# Altium PCB neoPeak.PcbDoc (continued)
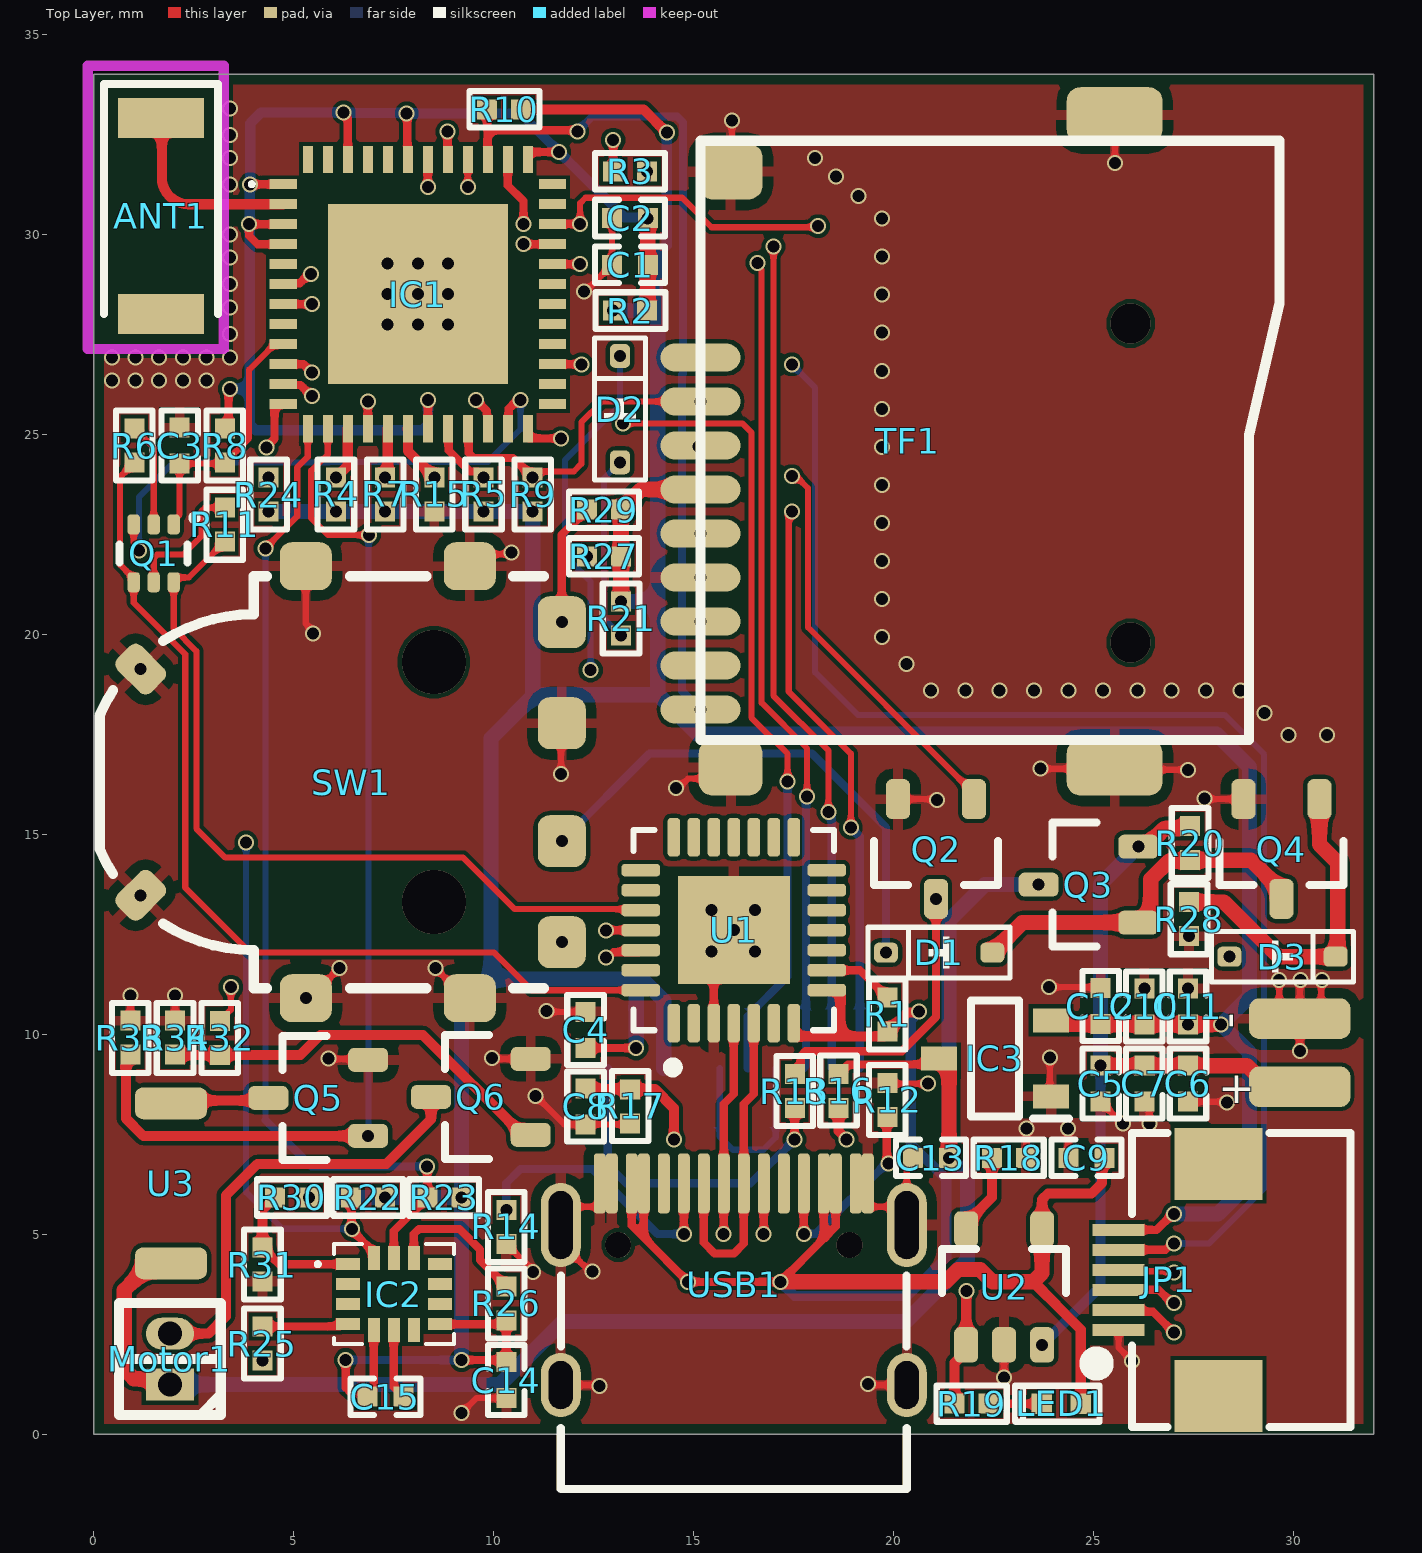
[diagram p0: Top Layer view]
## Footprints (in the part's own frame and the unit in brackets; to place one, negate y for a bottom-side part, rotate by r counter-clockwise, add the part's x,y. Pads: shape width x height; smd on the part's side, far side on the other; paste and mask are expansions set on the pad)
ANTC5020X127N [mm]
  rect 1x2.15 smd: 1(-2.45,0) 2(2.45,0)
  silkscreen extent -3.3,-1.42 2.45,1.42, body extent -2.52,-1 2.52,1, height 1.27
C0402_L [mm] "ÌùÆ¬MLCCµçÈÝ"
  rect 0.5x0.5 smd: 1(-0.45,0) 2(0.45,0)
  silkscreen extent -0.87,-0.46 0.88,0.46, body extent -0.5,-0.25 0.5,0.25, height 0.5
DET402 [mm]
  rrect50% 0.8x1.8 smd: 1(-2,0) 2(2,0)
  body extent -2.45,-1.5 2.44,1.5, height 2.03
ESP32PICOV302ES [mm]
  rect 0.68x0.25 smd: 1(-3.365,2.75) 2(-3.365,2.25) 3(-3.365,1.75) 4(-3.365,1.25) 5(-3.365,0.75) 6(-3.365,0.25) 7(-3.365,-0.25) 8(-3.365,-0.75) 9(-3.365,-1.25) 10(-3.365,-1.75) 11(-3.365,-2.25) 12(-3.365,-2.75) 25(3.365,-2.75) 26(3.365,-2.25) 27(3.365,-1.75) 28(3.365,-1.25) 29(3.365,-0.75) 30(3.365,-0.25) 31(3.365,0.25) 32(3.365,0.75) 33(3.365,1.25) 34(3.365,1.75) 35(3.365,2.25) 36(3.365,2.75)
  rect 0.25x0.68 smd: 13(-2.75,-3.365) 14(-2.25,-3.365) 15(-1.75,-3.365) 16(-1.25,-3.365) 17(-0.75,-3.365) 18(-0.25,-3.365) 19(0.25,-3.365) 20(0.75,-3.365) 21(1.25,-3.365) 22(1.75,-3.365) 23(2.25,-3.365) 24(2.75,-3.365) 37(2.75,3.365) 38(2.25,3.365) 39(1.75,3.365) 40(1.25,3.365) 41(0.75,3.365) 42(0.25,3.365) 43(-0.25,3.365) 44(-0.75,3.365) 45(-1.25,3.365) 46(-1.75,3.365) 47(-2.25,3.365) 48(-2.75,3.365)
  rect 4.5x4.5 smd: 49(0,0)
  silkscreen extent -4.2,2.7 -4.1,2.8, body extent -3.5,-3.5 3.5,3.5, height 1.31
FPC0.5-WT-6P [mm] "³¤£º7.2mm£¬¿í£º5.2mm£¬¸ß£º2mm               »Æ¾§±¦Ê¯"
  rect 1.8x2.2 smd: 0(-2.9,0) 0(2.9,0)
  rect 0.3x1.3 smd: 1(-1.25,2.497) 2(-0.75,2.497) 3(-0.25,2.497) 4(0.25,2.497) 5(0.75,2.497) 6(1.25,2.497)
  silkscreen extent -3.67,-3.3 3.68,3.23, body extent -3.6,-3.15 3.6,2.85, height 2
HDR1.27-LI-2P [mm] "Ö±²å£¬½Å¾à£º1.27mm ·â×°¿âÀ´×ÔÌÔ±¦Âô¼Ò ID£º»Æ¾§±¦Ê¯"
  rect 0.8x1.2 hole 0.6: 1(-0.635,0)
  oval 0.8x1.2 hole 0.6: 2(0.635,0)
  silkscreen extent -1.4,-1.27 1.4,1.27, body extent -1.27,-1.2 1.27,1.2, height 4.48
IIM42352 [mm]
  rect 0.6x0.3 smd: 1(-1.15,0.75) 2(-1.15,0.25) 3(-1.15,-0.25) 4(-1.15,-0.75) 8(1.15,-0.75) 9(1.15,-0.25) 10(1.15,0.25) 11(1.15,0.75)
  rect 0.3x0.6 smd: 5(-0.5,-0.9) 6(0,-0.9) 7(0.5,-0.9) 12(0.5,0.9) 13(0,0.9) 14(-0.5,0.9)
  silkscreen extent -1.95,-1.25 1.5,1.25, body extent -1.5,-1.25 1.5,1.25, height 0.9
LCD-240x240-FlUSH-154 [mm]
  rrect50% 0.4x3 smd: 1(3.851,-7.85) 2(3.151,-7.85) 3(2.451,-7.85) 4(1.751,-7.85) 5(1.051,-7.85) 6(0.351,-7.85) 7(-0.349,-7.85) 8(-1.049,-7.85) 9(-1.749,-7.85) 10(-2.449,-7.85) 11(-3.149,-7.85) 12(-3.849,-7.85)
  silkscreen extent -15.75,-17.02 15.75,16.76, body extent -15.7,-17.02 15.7,16.76
LED0402_G [mil] "ÂÌÉ«0402LED"
  rect 20x20 smd: 1(-19.23,0) 2(19.23,0)
  silkscreen extent -37,-18 46,18, body extent -20,-10 20,10, height 8
QFN-28 [mil]
  rrect50% 38x12 smd mask+5: 1(-91.5,59.06) 2(-91.5,39.37) 3(-91.5,19.69) 4(-91.5,0) 5(-91.5,-19.68) 6(-91.5,-39.37) 7(-91.5,-59.05) 15(91.5,-59.05) 16(91.5,-39.37) 17(91.5,-19.68) 18(91.5,0) 19(91.5,19.69) 20(91.5,39.37) 21(91.5,59.06)
  rrect50% 12x38 smd mask+5: 8(-59.06,-91.5) 9(-39.37,-91.5) 10(-19.68,-91.5) 11(0,-91.5) 12(19.68,-91.5) 13(39.37,-91.5) 14(59.05,-91.5) 22(59.05,91.5) 23(39.37,91.5) 24(19.68,91.5) 25(0,91.5) 26(-19.68,91.5) 27(-39.37,91.5) 28(-59.06,91.5)
  rect 106.3x110.24 smd: 29(0,0)
  silkscreen extent -140,-99 99,98, body extent -99,-99 98,98, height 35
R0402_L [mm] "1/16WÌùÆ¬µç×è"
  rect 0.5x0.5 smd: 1(-0.425,0) 2(0.425,0)
  silkscreen extent -0.88,-0.46 0.87,0.46, body extent -0.5,-0.25 0.5,0.25, height 0.3
SIQ-02FVS3 [mm]
  rrect50% 1.3x1.2 smd: 1(-4,-7.7) 2(-1.475,-7.7) 3(1.475,-7.7) 4(4,-7.7)
  rrect50% 1.2x1.3 smd: 5(-5.4,-5.4) 5(-5.4,-1.3) 5(5.4,-5.4) 5(5.4,-1.3)
  rrect50% 0.85x1.2 smd rot 45: 5(-2.828,2.828)
  rrect50% 0.85x1.2 smd rot 135: 5(2.828,2.828)
  silkscreen extent -5.15,-7.25 5.15,3.86, body extent -7.2,-7.5 7.2,7.25, height 4.06
SOD-323 [mm]
  rrect50% 0.6x0.5 smd: 1(-1.329,0) 2(1.329,0)
  silkscreen extent -1.78,-0.64 1.78,0.64, body extent -1.3,-0.68 1.3,0.67, height 1.15
SOT23-3 [mm]
  rrect50% 1x0.6 smd: 1(-1.246,0.95) 2(-1.246,-0.95) 3(1.246,0)
  silkscreen extent -0.2,-1.55 0.9,1.55, body extent -1.3,-1.45 1.5,1.45, height 1.2
SOT23-5 [mm]
  rrect50% 0.889x0.6 smd: 1(-1.5,0.95) 2(-1.5,0) 3(-1.5,-0.95) 4(1.396,-0.95) 5(1.396,0.95)
  silkscreen extent -0.2,-1.55 0.9,1.55, body extent -1.48,-1.45 1.32,1.45, height 1.2
SOT95P280X145-3N [mm]
  rect 0.9x0.6 smd: 1(-1.4,0.95) 2(-1.4,-0.95) 3(1.4,0)
  silkscreen extent -1.85,-1.45 0.6,1.5, body extent -1.4,-1.45 1.4,1.45, height 1.45
SOT563-6 [mm]
  rrect50% 0.305x0.5 smd paste+0 mask+0: 1(-0.5,-0.723) 2(0,-0.723) 3(0.5,-0.723) 4(0.5,0.723) 5(0,0.723) 6(-0.5,0.723)
  silkscreen extent -1.09,-0.97 0.85,0.22, body extent -0.8,-0.8 0.8,0.8, height 0.6
TF-SOCKET [mm]
  oval 2x0.7 smd: 1(-8.331,-4.582) 2(-8.331,-5.682) 3(-8.331,-6.782) 4(-8.331,-7.882) 5(-8.331,-8.982) 6(-8.331,-10.082) 7(-8.331,-11.182) 8(-8.331,-12.282) 9(-8.331,-13.382)
  rrect50% 1.6x1.4 smd: 10(-7.577,-14.836) 10(-7.577,0.068)
  rrect50% 2.4x1.4 smd: 10(2.023,-14.836) 10(2.023,1.476)
  silkscreen extent -8.33,-14.15 6.15,0.84, body extent -8.87,-14.81 8.18,1.29, height 2.05
Type-C-TOP [mm]
  round 0.65 hole 0.65: 0(-0.98,2.89) 0(-0.98,-2.89)
  oval 1.6x1 hole 0.6 slot 1.2 at 0 deg: 1(2.52,4.325) 2(2.52,-4.325)
  oval 2.1x1 hole 0.6 slot 1.7 at 0 deg: 3(-1.48,-4.325) 4(-1.48,4.325)
  rrect50% 1.5x0.3 smd: A1(-2.52,-3.35) A4(-2.52,-2.55) A5(-2.52,-1.25) A6(-2.52,-0.25) A7(-2.52,0.25) A8(-2.52,1.25) A9(-2.52,2.55) A12(-2.52,3.35) B1(-2.52,3.05) B4(-2.52,2.25) B5(-2.52,1.75) B6(-2.52,0.75) B7(-2.52,-0.75) B8(-2.52,-1.75) B9(-2.52,-2.25) B12(-2.52,-3.05)
  silkscreen extent -0.22,-4.32 5.12,4.32, body extent -2.57,-4.48 5.18,4.47, height 3.26

## Part data
ANT1: "Antenna", Manufacturer_Name="RAINBOW SW INDUSTRY  CO.,LIMITED", Datasheet Link=https://www.micros.com.pl/mediaserver/info-rf%20an2051-245.pdf, Height=1.27mm, Manufacturer_Part_Number=AN2051-245
C1 C2 C3 C4 C5 C6 C7 C8 C9 C10 C11 C12 C13 C14 C15: library part C, "贴片电容/MLCC电容", BOM名称=无极性贴片电容, 当前库版本V2024.2.3 @淘宝卖家:黄晶宝石=最新版本发布https://item.taobao.com/item.htm?id=566775463719, 联系下单店铺卖家 免费帮你查找封装="联系下单店铺卖家 免费技术指导"
D1 D2 D3: library part 1N5819, "肖特基二极管", BOM名称=肖特基二极管, 学习资源=www.ooocke.com, 属性=40V/2A, 版权归属=源创客
IC1: "Integrated Circuit", Manufacturer_Name="Espressif Systems", Datasheet Link=https://www.espressif.com/sites/default/files/documentation/esp32-pico-v3-02_datasheet_en.pdf, Height=1.21mm, Manufacturer_Part_Number=ESP32-PICO-V3-02-ES
IC2: "Integrated Circuit", Manufacturer_Name=TDK, Mouser Part Number=410-ICM-42688-P, Arrow Part Number=ICM-42688-P, Arrow Price/Stock=https://www.arrow.com/en/products/icm-42688-p/invensense?utm_currency=USD&region=nac, Datasheet Link=https://3cfeqx1hf82y3xcoull08ihx-wpengine.netdna-ssl.com/wp-content/uploads/2021/06/DS-000347-ICM-42688-P-v1.5.pdf, Manufacturer_Part_Number=ICM-42688-P, Mouser Price/Stock=https://www.mouser.co.uk/ProductDetail/TDK-InvenSense/ICM-42688-P?qs=OlC7AqGiEDk8QrNAV728zw%3D%3D
IC3: "Integrated Circuit", Manufacturer_Name=Microne, Datasheet Link=https://www.lcsc.com/datasheet/lcsc_datasheet_1811151641_MICRONE-Nanjing-Micro-One-Elec-ME6211A33M3G-N_C168807.pdf, Height=1.45mm, Manufacturer_Part_Number=ME6211A33M3G-N
JP1: library part "Header 6", "6P连接器", BOM名称=6P连接器, 封装库来自淘宝卖家:黄晶宝石=最新版本发布https://shop463601444.taobao.com
LED1: library part LED, "贴片LED", BOM名称=贴片LED, 封装库来自淘宝卖家：黄晶宝石=其他店铺购入均为盗版封装库，无更新权益，请立即申请退款，本店现金奖励200~1000元
Motor1: library part "Header 2", "2P连接器", BOM名称=2P连接器, 联系卖家 免费查找封装=唯一出售店铺网址https://shop463601444.taobao.com
Q2 Q4 Q5 Q6: "N-MOS"
Q3: "P-MOS"
R1 R2 R3 R4 R5 R6 R7 R8 R9 R10 R11 R12 R13 R14 R15 R16 R17 R18 R19 R20 R21 R22 R23 R24 R25 R26 R27 R28 R29 R30 R31 R32 R33 R34: library part R, "贴片电阻", BOM名称=贴片电阻, 联系下单店铺卖家 免费帮你查找封装="联系下单店铺卖家 免费技术指导"
S1: "显示屏"
SW1: BOM_JLCPCB Part Class="Extended Part", BOM_Manufacturer=ALPSALPINE, BOM_Manufacturer Part=EC11E1534443, BOM_Supplier=LCSC, BOM_Supplier Part=C1322543, Contributor=LCSC, spicePre=S, spiceSymbolName=EC11E1534443
TF1: library part TF卡座, "8脚自弹"
U1: "USB转TTL", MFG #1="SILICON LABS", PART DESC="SINGLE-CHIP USB TO UART BRIDGE, QFN28, RoHS.", PART NUMBER=CP2102, RefDes=RefDes, Type=DEV
USB1: library part USB-Type-C-TOP

## Free pads (board coordinates)
  rrect50% 2.54x1.016 smd: 3(30.15,8.687) 3(30.15,10.389)

## Via types
v1: diameter 0.4, hole 0.3, Top Layer to Bottom Layer, tented both sides, 210 vias
v2: diameter 0.508, hole 0.3, Top Layer to Bottom Layer, tented both sides, 9 vias
v3: diameter 1, hole 1, Top Layer to Bottom Layer, tented both sides, 2 vias
v4: diameter 1.6, hole 1.6, Top Layer to Bottom Layer, tented both sides, 2 vias

## Nets (pads, with @x,y where several pads share a name; then routed paths per layer and width w, separated by ;. In a path a pad name is that pad's centre, name@x,y a point inside that pad or via, vN(x,y) a via of type N, cw(c..) or ccw(c..) an arc to the next point about the centre after c; other vN are vias at no path point)
3V3A: C1.2 C2.2 IC1.1 IC1.3 IC1.4 IC1.19 IC1.37 IC1.43 IC1.46 R2.1 R8.2 | length 34.7
  Top Layer w0.203: R8.2 3.369,25.235 3.369,26.099 v1(3.407,26.137) ; v1(3.886,30.251) 3.886,29.954 4.09,29.75 IC1.4 ; v1(3.886,30.251) IC1.3@4.734,30.251 ; v1(3.912,31.242) 3.916,31.246 4.731,31.246 IC1.1 ; v1(6.248,33.045) 6.248,32.992 6.35,32.891 IC1.46 ; v1(7.823,33.02) 7.837,33.007 7.837,31.878 IC1.43 ; IC1.19 8.353,25.138 8.353,25.854 v1(8.357,25.857) ; IC1.37 10.85,32.031 10.873,32.055 v1(11.633,32.055)
  Top Layer w0.381: R2.1 13.847,28.103 v1(13.847,30.393)
  Bottom Layer w0.254: v1(3.407,26.137) 3.899,26.137 ; v1@3.899,30.239 3.899,26.137 ; v1@3.899,30.251 3.899,31.19 3.912,31.202 3.912,32.771 4.186,33.045 v1(6.248,33.045) 6.261,33.033 7.81,33.033 v1(7.823,33.02) 10.668,33.02 13.267,30.421 13.819,30.421 v1(13.847,30.393) ; v1(8.357,25.857) 8.357,25.247 8.208,25.098 4.048,25.098 3.899,25.247 3.899,26.137
BAT_DET: C8.1 IC1.6 R16.2 R17.1 | length 43.9
  Top Layer w0.203: IC1.6 4.758,28.773 5.148,28.773 5.38,29.006 v1(5.433,29.006)
  Top Layer w0.254: C8.1 12.306,8.635 13.399,8.635 R17.1 14.034,8.622 14.503,8.153 v1(14.503,7.366) ; R16.2 18.618,7.582 18.821,7.379 v1(18.821,7.366)
  Signal1 w0.152: v1(5.433,29.006) 4.545,29.006 4.013,28.473 4.013,25.569 3.048,24.604 3.048,8.382 4.35,7.08 14.217,7.08 v1(14.503,7.366) 15.062,6.807 18.263,6.807 v1(18.821,7.366)
BOOT: IC1.23 Q1.3 | length 13.9
  Top Layer w0.152: Q1.3 0.999,22.29 1.133,22.156 v1(1.133,22.089)
  Top Layer w0.203: IC1.23 10.373,25.158 10.373,25.64 10.553,25.82 10.63,25.82 v1(10.668,25.857)
  Bottom Layer w0.152: v1(1.133,22.089) 1.133,23.434 1.99,24.291 5.892,24.291 5.909,24.308 9.855,24.308 10.668,25.121 v1(10.668,25.857)
BUZZ: IC1.14 Q5.1 R33.1 | length 26.9
  Top Layer w0.152: IC1.14 5.85,24.492 5.731,24.373 5.721,24.373 5.436,24.088 5.436,22.902 5.859,22.479 v1(6.883,22.479)
  Top Layer w0.254: R33.1 0.802,9.375 0.802,7.896 1.241,7.457 v1(6.859,7.457)
  Bottom Layer w0.152: v1(6.859,7.457) 6.871,7.469 6.871,22.467 v1(6.883,22.479)
CHG_DET: IC1.7 R19.2 R24.1 U2.1 | length 44.2
  Top Layer w0.203: IC1.7 v1(5.461,28.25)
  Top Layer w0.254: R19.2 21.521,1.789 21.813,2.082 21.813,3.576 v1(21.819,3.581)
  Signal1 w0.152: v1(5.461,28.25) 4.724,27.513 4.724,24.269 v1(4.369,23.914) 4.747,23.536 4.747,8.792 5.69,7.849 19.71,7.849 21.819,5.74 v1(21.819,3.581)
CP_Rx: IC1.41 U1.25 | length 31.9
  Top Layer w0.203: v1(8.839,32.563) 8.845,32.557 8.845,31.87 IC1.41 ; v1(12.802,12.598) U1.25@13.675,12.599
  Signal1 w0.152: v1(8.839,32.563) 8.839,30.988 9.046,30.782 16.474,30.782 18.11,29.145 18.11,21.869 16.231,19.99 16.231,16.027 v1(12.802,12.598)
CP_Tx: IC1.40 R3.1 | length 6.7
  Top Layer w0.152: v1(9.35,31.178) IC1.40
  Top Layer w0.203: R3.1 v1(12.986,32.353)
  Signal1 w0.152: v1(9.35,31.178) 9.35,32.286 10.011,32.947 12.392,32.947 v1(12.986,32.353)
DTR: Q1.4 R6.1 U1.28 | length 23.9
  Top Layer w0.152: R6.1 0.66,23.937 0.66,21.735 0.999,21.396 Q1.4 0.999,20.787 2.286,19.499 2.286,13.665 3.912,12.04 10.008,12.04 10.947,11.1 U1.28
EC_A: IC1.10 R27.2 SW1.1 | length 37.6
  Top Layer w0.203: IC1.10@4.735,26.75 5.244,26.75 5.45,26.543 v1(5.461,26.543)
  Signal1 w0.152: v1(5.461,26.543) 5.096,26.543 5.007,26.454 5.007,13.51 6.248,12.268 v1@11.7,12.268 ; v1(11.7,12.3) 15.951,16.551 15.951,22.491 15.547,22.896 14.445,22.896 13.494,21.946 v1(12.326,21.946)
EC_B: IC1.11 R29.2 SW1.4 | length 15.5
  Top Layer w0.203: IC1.11 4.758,26.227 5.168,26.227 v1@5.436,25.959 ; v1(11.7,20.3) 11.7,22.488 R29.2
  Signal1 w0.152: v1(5.461,25.959) 5.461,20.853 6.014,20.3 v1(11.7,20.3)
EC_KEY: D1.2 D2.2 SW1.2 | length 26.2
  Signal1 w0.152: v1(11.7,14.825) 12.421,15.546 v1(12.421,19.101)
  Bottom Layer w0.152: v1(12.421,19.101) 12.421,21.317 11.786,21.952 11.786,24.359 13.157,25.731 v1(13.157,26.958)
  Bottom Layer w0.203: v1(11.7,14.825) 13.893,17.018 17.958,17.018 19.803,15.172 v1(19.803,12.04)
EC_KEY_DET: D2.1 IC1.16 R21.1 | length 12.3
  Top Layer w0.203: IC1.16 v1(6.85,25.822)
  Signal1 w0.152: v1(6.85,25.822) 8.349,24.323 13.133,24.323 v1(13.157,24.299)
  Bottom Layer w0.152: v1(13.157,24.299) 12.751,23.893 12.751,20.403 v1(13.183,19.971)
ESP_EN: C3.2 IC1.9 Q1.1 R8.1 | length 6.4
  Top Layer w0.152: Q1.1 1.999,22.842 2.146,22.99 C3.2 3.248,24.264 R8.1 3.886,24.902 3.886,26.617 4.47,27.201 4.686,27.201 IC1.9
GND: C1.1 C2.1 C3.1 C4.1 C5.1 C6.1 C7.1 C8.2 C9.1 C10.1 C11.1 C12.1 C13.1 C14.2 IC1.49 IC3.1 JP1.1 pad.3@30.15,10.389 Q2.2 Q4.2 Q5.2 Q6.2 R12.1 R14.2 R15.1 R17.2 R18.2 R28.1 R31.2 R33.2 R34.2 S1.1 S1.5 S1.6 S1.8 SW1.3 SW1.5 TF1.6 TF1.10 U1.3 U1.29 U2.2 USB1.1 USB1.2 USB1.3 USB1.4 USB1.A1 USB1.A12 USB1.B1 USB1.B12 | length 54.7
  Top Layer w0.152: R33.2 v1(0.914,10.973) ; R34.2 v1(2.032,10.973) ; SW1.5@5.3,21.7 5.3,20.269 5.486,20.082 v1(5.486,20.015) ; SW1.5@5.69,11.201 v1(6.139,11.651) ; v1(5.867,9.398) 5.888,9.378 6.839,9.378 Q5.2 ; v1(8.542,11.651) SW1.5@8.992,11.201 ; v1(9.195,0.533) 9.565,0.903 C14.2 ; SW1.5@9.4,21.7 9.7,22 10.392,22 v1(10.439,22.047) ; v1@9.972,9.383 Q6.2 ; R14.2 v1@10.985,4.084 ; v1(11.049,8.458) 11.76,7.747 C8.2 13.386,7.747 R17.2 ; v1@11.342,10.559 C4.1 ; USB1.2 v1@12.626,1.23 ; USB1.3 11.675,5.296 12.067,5.688 12.576,5.688 12.65,5.761 USB1.A1 USB1.B12 ; v1(11.684,16.51) 11.684,17.729 SW1.3@11.709,17.755 ; USB1.3@11.76,4.775 11.76,4.708 12.404,4.064 v1(12.471,4.064) ; v1@12.285,28.563 C1.1 C2.1 ; v1(14.554,16.154) 14.621,16.154 14.857,16.39 15.679,16.39 TF1.10@15.977,16.688 ; TF1.10@15.923,31.568 15.951,31.597 v1(15.951,32.842) ; USB1.B1 USB1.A12 19.35,5.761 19.424,5.688 19.933,5.688 20.325,5.296 USB1.4 20.325,6.754 C13.1 ; v1@19.374,1.23 USB1.1 ; R12.1 19.856,8.763 v1(20.853,8.763) ; Q2.2 v1@21.058,15.876 ; v1(22.758,1.422) U2.2 ; R18.2 23.317,6.922 v1(23.317,7.645) ; v1(23.673,16.637) TF1.10@25.496,16.637 ; v1(23.876,11.176) 25.146,11.176 C12.1 ; v1(23.901,9.423) 23.901,8.476 IC3.1 ; v1(24.359,7.645) 24.359,6.916 C9.1 ; C5.1 25.712,7.772 v1(25.73,7.772) ; TF1.10@25.523,16.664 TF1.10@25.496,16.637 ; TF1.10@25.523,32.976 25.527,32.972 v1(25.527,31.775) ; JP1.1 25.621,2.167 v1(25.959,1.829) ; C7.1 26.391,8.186 v1(26.391,7.772) ; C6.1 v1@28.307,8.313 ; v1(27.356,16.612) 25.521,16.612 TF1.10@25.496,16.637 ; v1@27.791,15.876 Q4.2 ; pad.3@29.616,10.389 29.637,10.409 v1(29.637,11.36) ; v1(30.15,9.576) 30.15,10.38 pad.3@30.162,10.392 ; pad.3@30.15,10.389 v1@30.15,11.34 ; pad.3@30.683,10.389 v1@30.683,11.34
  Top Layer w0.203: v1(15.443,12.065) 15.5,12.008 U1.3
  Bottom Layer w0.152: S1.6 15.649,7.439 15.977,7.112 16.739,7.112 17.049,7.423 S1.8
  other v1: 12.647,1.21 19.353,1.25 10.985,4.055 28.328,8.293 9.952,9.403 11.322,10.58 5.3,10.9 26.264,11.143 27.356,11.143 30.17,11.36 30.703,11.36 16.535,12.065 27.381,12.453 16,12.6 15.443,13.106 16.535,13.106 1.172,13.472 21.078,15.856 27.771,15.897 29.87,17.475 30.836,17.475 29.269,18.034 20.93,18.593 21.789,18.593 22.649,18.593 23.509,18.593 24.369,18.593 25.229,18.593 26.088,18.593 26.948,18.593 27.808,18.593 28.668,18.593 1.172,19.128 20.316,19.26 19.702,19.927 19.702,20.878 15.169,21.418 19.702,21.829 19.702,22.781 19.702,23.732 19.702,24.683 19.702,25.635 0.457,26.34 1.046,26.34 1.636,26.34 2.225,26.34 2.814,26.34 19.702,26.586 0.457,26.924 1.046,26.924 1.636,26.924 2.225,26.924 2.814,26.924 3.404,26.924 3.404,27.508 19.702,27.537 3.404,28.169 19.702,28.489 12.256,28.563 3.404,28.753 3.404,29.413 19.702,29.44 3.404,29.997 19.702,30.391 19.117,30.95 3.404,31.242 18.554,31.443 3.404,31.902 18.034,31.902 3.404,32.487 3.404,33.147
  other v2: 7.338,27.738 8.1,27.738 8.862,27.738 7.338,28.5 8.1,28.5 8.862,28.5 7.338,29.262 8.1,29.262 8.862,29.262
GPIO2: IC1.22 S1.7 | length 24.8
  Top Layer w0.152: v1(13.233,25.273) 16.212,25.273 16.44,25.044 16.44,17.913 17.345,17.009 v1(17.345,16.323)
  Top Layer w0.203: v1(9.55,25.857) 9.827,25.581 9.827,25.158 IC1.22
  Signal1 w0.152: v1(9.55,25.857) 10.135,25.273 v1(13.233,25.273)
  Bottom Layer w0.203: S1.7 16.349,10.45 17.345,11.446 v1(17.345,16.323)
GPIO4: IC1.24 S1.11 | length 23.9
  Top Layer w0.152: v1@17.374,23.063 17.374,18.567 18.929,17.012 v1(18.929,15.164)
  Top Layer w0.203: IC1.24 10.85,24.92 10.873,24.897 11.679,24.897 v1(11.684,24.892)
  Signal1 w0.152: v1(11.684,24.892) 14.427,24.892 14.602,25.067 17.301,25.067 17.856,24.511 17.856,23.546 v1@17.374,23.063
  Bottom Layer w0.203: v1@18.867,15.225 v1(18.929,15.164) 19.149,14.943 S1.11
  other v1: 17.45,23.063
GPIO5: IC1.34 JP1.2 R25.2 | length 64
  Top Layer w0.152: v1(12.159,30.258) 12.159,30.777 12.294,30.912 14.707,30.912 15.443,30.175 v1@18.085,30.175 ; v1@18.11,30.175 v1@18.136,30.201
  Top Layer w0.203: IC1.34@11.472,30.258 v1(12.159,30.258) ; JP1.2 25.669,3.062 26.478,3.062 v1(27,2.54)
  Signal1 w0.152: v1(4.216,1.842) 5.07,2.696 26.787,2.696 26.943,2.54 v1(27,2.54) 27.378,2.918 27.378,8.233 18.669,16.942 18.669,29.642 v1(18.11,30.201)
GPIO7: IC1.32 S1.9 | length 25.8
  Top Layer w0.152: v1(16.589,29.286) 16.589,29.219 16.694,29.114 16.694,18.282 17.831,17.145 v1(17.831,15.943)
  Top Layer w0.203: IC1.32 v1(12.152,29.25)
  Signal1 w0.203: v1(12.152,29.25) 12.17,29.268 16.571,29.268 v1(16.589,29.286)
  Bottom Layer w0.203: S1.9 17.805,9.206 v1@17.805,15.943
GPIO8: IC1.33 S1.10 | length 28.2
  Top Layer w0.152: v1(16.993,29.693) 16.993,18.466 18.364,17.094 v1(18.364,15.553)
  Top Layer w0.203: v1@10.778,29.75 IC1.33
  Signal1 w0.203: v1@10.778,29.75 10.807,29.721 16.964,29.721 v1(16.993,29.693)
  Bottom Layer w0.203: v1@18.313,15.657 18.417,15.553 18.449,15.553 S1.10
  other v1: 10.744,29.75
GPIO12: IC1.18 Q2.1 R15.2 | length 21.9
  Top Layer w0.152: v1@17.37,23.952 17.418,23.905 17.6,23.905 17.856,23.649 17.856,20.174 21.73,16.3 21.743,16.3 22.007,16.036 Q2.1
  Top Layer w0.254: IC1.18 7.852,25.133 7.852,24.582 v1(8.514,23.92)
  Signal1 w0.152: v1(8.514,23.92) 8.561,23.873 8.561,23.239 9.109,22.692 13.675,22.692 14.935,23.952 v1@17.37,23.952
  other v1: 17.45,23.952
GPIO13: IC1.20 R5.2 TF1.3 | length 7.7
  Top Layer w0.203: IC1.20 8.873,25.112 8.873,24.597 9.402,24.068 9.595,24.068 v1(9.743,23.92)
  Signal1 w0.152: v1(9.743,23.92) 10.168,23.495 13.919,23.495 v1(15.113,24.689)
GPIO14: IC1.17 R7.2 TF1.5 | length 10.6
  Top Layer w0.254: v1(7.285,23.92) 7.348,23.983 7.348,25.133 IC1.17
  Signal1 w0.152: v1(7.285,23.92) 9.767,21.438 14.088,21.438 v1(15.169,22.518)
GPIO15: IC1.21 R9.2 TF1.2 | length 8.1
  Top Layer w0.152: v1(10.973,23.92) 11.121,24.068 12.003,24.068 12.192,24.257 12.192,25.298 12.712,25.818 v1(15.169,25.818)
  Top Layer w0.203: IC1.21 9.373,25.112 9.373,24.528 9.492,24.409 10.483,24.409 v1(10.973,23.92)
GPIO19: IC1.38 R32.1 | length 27.4
  Top Layer w0.152: R32.1 3.426,10.607 v1(3.426,11.176)
  Top Layer w0.203: IC1.38 10.35,31.22 10.744,30.826 v1@10.744,30.348
  Signal1 w0.152: v1(3.426,11.176) 3.404,11.198 3.404,24.511 4.267,25.375 4.267,28.296 4.599,28.628 5.641,28.628 7.271,30.258 v1(10.744,30.258)
GPIO20: IC1.27 JP1.5 | length 41.5
  Top Layer w0.203: IC1.27 11.467,26.748 12.19,26.748 v1(12.192,26.746) ; JP1.5 26.789,4.611 26.947,4.769 v1(27,4.769)
  Signal1 w0.152: v1(12.192,26.746) 12.239,26.746 12.722,26.264 16.9,26.264 17.383,26.746 v1(17.45,26.746)
  Bottom Layer w0.152: v1(17.45,26.746) 18.034,26.162 18.034,19.05 19.101,17.983 28.27,17.983 29.259,16.995 29.259,6.145 27.883,4.769 v1(27,4.769)
GPIO21: D3.1 IC1.42 | length 38.7
  Top Layer w0.203: v1(8.35,31.178) IC1.42
  Signal1 w0.152: v1@8.357,31.178 8.357,32.791 8.767,33.201 12.798,33.201 14.097,31.902 17.018,31.902 18.923,29.997 18.923,17.297 24.282,11.938 v1(28.389,11.938)
GPIO22: IC1.39 R10.2 TF1.9 | length 21.3
  Top Layer w0.203: R10.2 9.837,32.6 12.06,32.6 v1(12.09,32.57) ; 9.843,32.6 9.843,31.872 IC1.39
  Bottom Layer w0.203: v1(12.09,32.57) 12.461,32.941 14.583,32.941 14.729,32.795 14.729,26.51 14.71,26.491 14.71,18.577 v1(15.169,18.118)
GPIO26: IC1.15 R4.2 TF1.7 | length 13.5
  Top Layer w0.254: v1(6.055,23.92) 6.35,24.215 IC1.15
  Signal1 w0.152: v1(6.055,23.92) 6.433,23.542 6.433,20.948 6.659,20.722 11.812,20.722 12.185,20.349 15.138,20.349 v1(15.169,20.318)
GPIO32: IC1.12 IC2.14 JP1.3 R22.2 | length 48.8
  Top Layer w0.203: v1(4.318,24.669) 4.318,24.685 4.52,24.887 4.52,25.727 4.543,25.75 IC1.12 ; R22.2 6.442,5.909 6.442,5.14 v1(6.452,5.131) 6.452,5.098 7,4.55 IC2.14 ; JP1.3 26.619,3.611 26.947,3.283 v1(27,3.283)
  Signal1 w0.152: v1(3.81,14.792) 3.81,24.161 4.017,24.368 v1(4.318,24.669) ; v1(6.452,5.131) 6.452,3.916 7.418,2.95 26.667,2.95 v1(27,3.283)
  Bottom Layer w0.152: v1(3.81,14.792) 3.81,6.045 4.718,5.137 v1@6.445,5.137
GPIO33: IC1.13 IC2.13 JP1.4 R23.1 | length 48.5
  Top Layer w0.152: v1(4.293,22.149) 5.087,22.944 5.087,24.17 5.35,24.433 IC1.13 ; JP1.4 25.657,4.075 26.964,4.075 v1(27,4.039)
  Top Layer w0.203: IC2.13 7.5,5.08 R23.1 v1@8.338,6.687
  Signal1 w0.152: v1(8.329,6.696) 8.329,3.782 8.907,3.204 26.165,3.204 v1(27,4.039)
  Bottom Layer w0.152: 4.293,7.849 v1(4.293,22.149)
  Bottom Layer w0.203: 4.293,7.849 5.445,6.696 v1(8.329,6.696)
INT: IC2.4 R25.1 | length 2.2
  Top Layer w0.203: R25.1 6.142,2.692 6.2,2.75 IC2.4
LCD_LEDK: R13.2 S1.2 | length 8.5
  Top Layer w0.203: v1@17.519,7.37 17.523,7.374 17.523,8.15 R13.2
  Bottom Layer w0.203: S1.2 12.849,6.734 13.31,6.274 16.423,6.274 v1@17.519,7.37
  other v1: 17.519,7.366
NetANT1_1: ANT1.1 IC1.2 | length 4.9
  Top Layer w0.254: ANT1.1 cw(c1.676,32.879) 1.702,32.879 1.702,31.42 ccw(c2.372,31.42) 2.372,30.75 IC1.2
NetC15_2: C15.2 IC2.6 | length 1.8
  Top Layer w0.203: IC2.6 7.5,1.18 C15.2
NetD1_1: D1.1 Q3.1 Q4.3 R20.2 | length 9.4
  Top Layer w0.381: D1.1 22.512,12.04 22.572,12.099 22.572,12.149 23.214,12.791 Q3.1 26.313,12.791 26.422,12.901 26.422,13.875 26.879,14.332 27.387,14.332 R20.2 28.926,14.351 29.583,13.694 29.583,13.367 Q4.3@29.693,13.257
NetD3_2: D3.2 Q4.1 R28.2 | length 8.3
  Top Layer w0.381: R28.2 28.252,13.303 29.616,11.938 31.097,11.938 31.097,14.292 30.643,14.747 Q4.1@30.643,15.749
NetIC2_1: IC2.1 R30.2 R31.1 | length 3.7
  Top Layer w0.203: R31.1 4.633,4.25 IC2.1
  Top Layer w0.254: R31.1 4.216,5.607 R30.2
NetIC2_12: IC2.12 R26.2 | length 3.7
  Top Layer w0.203: IC2.12 8,5.003 8.128,5.131 9.144,5.131 9.654,4.621 9.654,4.353 R26.2
NetLED1_2: LED1.2 R19.1 | length 1.3
  Top Layer w0.203: R19.1 LED1.2
NetMotor1_2: Motor1.2 Q6.3 | length 11.1
  Top Layer w0.254: Motor1.2 2.87,2.515 3.302,2.946 3.302,5.969 4.089,6.756 7.315,6.756 8.431,7.873 Q6.3
NetQ1_2: Q1.2 R6.2 | length 2.6
  Top Layer w0.152: R6.2 1.499,24.66 Q1.2
NetQ1_5: Q1.5 R11.2 | length 3.3
  Top Layer w0.152: Q1.5 1.499,21.903 1.588,21.992 2.231,21.992 2.692,22.454 2.692,23.076 2.782,23.165 R11.2
NetQ2_3: Q2.3 R13.1 | length 7.1
  Top Layer w0.203: R13.1 17.674,9.152 17.674,9.457 17.793,9.576 20.204,9.576 21.057,10.428 Q2.3@21.057,13.232
  other v1: 21.057,13.384
NetQ5_3: Q5.3 U3.2 | length 2.5
  Top Layer w0.254: U3.2 1.997,8.341 4.301,8.341 Q5.3
NetQ6_1: Q6.1 R32.2 R34.1 | length 10.1
  Top Layer w0.254: R34.1 2.035,9.484 3.146,9.484 R32.2 5.163,9.481 5.664,9.982 8.224,9.982 10.723,7.483 Q6.1
NetR1_2: R1.2 U1.9 | length 1.8
  Top Layer w0.203: U1.9 19.159,11.6 R1.2
NetR3_2: R3.2 U1.26 | length 26.2
  Top Layer w0.203: v1(12.802,11.913) 12.855,11.913 12.991,12.049 13.625,12.049 U1.26
  Signal1 w0.203: v1(12.802,11.913) 16.942,16.053 16.942,19.456 18.39,20.904 18.39,29.337 16.154,31.572 v1(13.836,31.572)
NetR12_2: R12.2 USB1.B5 | length 5.2
  Top Layer w0.203: v1@17.75,5.011 USB1.B5 ; R12.2@19.825,7.944 19.825,6.807 v1(19.863,6.77)
  Bottom Layer w0.203: v1(17.754,5.008) 17.759,5.013 18.056,5.013 v1@19.812,6.77
NetR14_1: R14.1 USB1.A5 | length 7.2
  Top Layer w0.203: USB1.A5 14.754,6.266 14.754,5.008 v1(14.757,5.004)
  Bottom Layer w0.203: v1(10.312,5.607) 10.312,6.274 10.668,6.629 12.471,6.629 14.097,5.004 v1(14.757,5.004)
NetR18_1: R18.1 U2.5 | length 2
  Top Layer w0.254: U2.5 21.808,5.274 22.454,5.919 R18.1
RTS: Q1.6 R11.1 U1.24 | length 20
  Top Layer w0.152: Q1.6 1.999,20.146 2.565,19.579 2.565,15.138 3.289,14.414 9.233,14.414 10.52,13.128 13.648,13.128 U1.24 ; Q1.6@1.999,21.342 2.075,21.418 2.38,21.418 R11.1
SENSOR_VN: IC1.8
SENSOR_VP: IC1.5
USB-PWR-DM: U1.5 USB1.A7 USB1.B7 | length 8.3
  Top Layer w0.203: USB1.B7 15.25,4.791 15.519,4.521 16.002,4.521 16.25,4.769 USB1.A7 16.25,8.257 16.5,8.507 U1.5
USB-PWR-DP: U1.4 USB1.A6 USB1.B6 | length 8.4
  Top Layer w0.203: v1(15.748,5.004) v1(15.748,5.004) 15.749,6.269 USB1.A6 15.75,8.257 16,8.507 U1.4 ; v1@16.75,5.006 USB1.B6
  Signal1 w0.203: v1(15.748,5.004) 15.768,4.984 15.768,4.64 15.887,4.521 16.611,4.521 16.73,4.64 16.73,4.986 v1(16.749,5.005)
VBAT: C13.2 IC3.3 Motor1.1 Q3.3 R16.1 U3.1 | length 42.3
  Top Layer w0.203: R16.1 18.854,9.246 20.827,9.246 IC3.3@20.98,9.398
  Top Layer w0.381: Motor1.1 1.763,1.387 1.001,1.387 0.762,1.626 0.762,3.6 1.436,4.274 U3.1 ; IC3.3@21.27,9.398 21.38,9.289 v1(21.38,6.909)
  Bottom Layer w0.381: Motor1.1 10.16,1.245 11.735,2.819 20.303,2.819 21.844,4.361 21.844,6.439 21.38,6.904 v1(21.38,6.909) 21.38,12.845 22.276,13.741 v1(23.621,13.741)
VBAT_IN: C5.2 C6.2 C7.2 pad.3@30.15,8.687 Q3.2 R20.1 U2.3 | length 20.2
  Top Layer w0.381: v1(25.171,9.213) C7.2 C6.2 28.827,9.213 29.353,8.687 pad.3@30.15,8.687 ; v1(26.113,14.691) 26.313,14.691 26.763,15.141 27.347,15.141 R20.1
  Bottom Layer w0.254: v1(23.708,2.234) 25.171,3.697 v1(25.171,9.213)
  Bottom Layer w0.381: v1(25.171,9.213) 25.171,13.75 v1(26.113,14.691)
VCC_3V3: C4.2 C10.2 C11.2 C12.2 C14.1 C15.1 IC2.5 IC2.8 IC3.2 JP1.6 R2.2 R4.1 R5.1 R7.1 R9.1 R10.1 R21.2 R22.1 R23.2 R24.2 R26.1 R27.1 R29.1 R30.1 S1.3 S1.4 TF1.4 | length 113.6
  Top Layer w0.203: v1(6.299,1.854) 6.299,1.162 6.418,1.043 6.737,1.043 C15.1 6.988,1.088 6.988,1.195 7,1.207 IC2.5 ; IC2.8 10.218,2.75 R26.1 C14.1 10.262,1.854 v1(9.195,1.854) ; C4.2 12.297,9.656 v1(13.56,9.656) ; JP1.6 25.624,5.108 26.571,5.108 v1@26.975,5.512
  Top Layer w0.254: R10.1 13.741,33.122 v1(14.326,32.537)
  Top Layer w0.381: v1(13.183,20.821) 13.179,20.825 13.179,23.111 R29.1 13.68,23.618 TF1.4 ; IC3.2 24.027,10.251 C12.2 25.175,10.247 v1(27.352,10.247) C11.2 v1(28.187,10.243)
  Bottom Layer w0.203: v1(6.299,1.854) v1(9.195,1.854)
  Bottom Layer w0.254: 14.102,27.869 14.102,29.495 14.326,29.718 v1(14.326,32.537)
  Bottom Layer w0.381: v1@4.378,23.067 4.386,23.067 4.389,23.07 v1(6.055,23.07) v1(7.285,23.07) v1(9.743,23.07) v1(10.973,23.07) 10.973,18.537 11.021,18.489 ; v1(5.378,5.918) v1(7.283,5.918) v1(9.188,5.918) v1@9.195,5.918 ; v1(9.195,1.854) v1@9.195,5.918 ; v1(12.986,28.092) 13.879,28.092 14.102,27.869 14.102,20.821 ; v1@13.188,20.821 14.102,20.821 ; v1(13.56,9.656) 13.56,11.307 13.487,11.379 ; 14.102,18.618 14.102,20.821 ; S1.4 14.249,10.839 13.709,11.379 13.487,11.379 ; v1@26.978,5.508 28.101,5.508 28.891,6.297 28.891,9.54 v1(28.187,10.243) 28.891,10.947 28.891,16.677 28.067,17.501 15.09,17.501 14.102,18.489 11.021,18.489 ; v1@9.195,5.918 9.195,10.643 9.931,11.379 ; 9.931,11.379 9.931,17.399 11.021,18.489 ; 9.931,11.379 13.487,11.379
  other v1: 27,5.512 4.369,23.064
VUSB: C9.2 LED1.1 R1.1 U1.7 U1.8 U2.4 USB1.A4 USB1.A9 USB1.B4 USB1.B9 | length 42.2
  Top Layer w0.203: USB1.A4 13.45,5.219 13.75,4.919 ; USB1.B9 13.75,4.919 ; USB1.B4 18.25,4.89 ; USB1.A9 18.55,5.19 18.25,4.89 ; 13.75,4.919 v1(14.859,3.81) v1(17.17,3.81) 18.25,4.89
  Top Layer w0.254: U1.7 17.5,9.971 17.525,9.946 18.669,9.946 ; U1.8 18.644,11.1 18.669,11.075 18.669,9.946 ; v1(20.625,10.567) 20.598,10.54 20.339,10.54 19.994,10.195 19.96,10.195 R1.1 19.837,10.039 19.748,9.949 19.536,9.949 19.533,9.946 18.669,9.946 ; 23.485,3.81 24.675,2.62 LED1.1 ; U2.4 23.708,5.871 23.857,6.02 24.946,6.02 25.204,6.278 25.204,6.847 C9.2
  Top Layer w0.381: v1(17.17,3.81) 21.293,3.81 21.605,4.121 22.159,4.121 22.47,3.81 23.485,3.81 23.708,4.033 U2.4
  Bottom Layer w0.254: v1(17.17,3.81) 17.526,3.454 20.345,3.454 21.311,4.42 21.311,6.372 20.425,7.257 20.425,10.345 20.625,10.546 v1(20.625,10.567)
pads on no net: ANT1.2 IC1.25 IC1.26 IC1.28 IC1.29 IC1.30 IC1.31 IC1.35 IC1.36 IC1.44 IC1.45 IC1.47 IC1.48 IC2.2 IC2.3 IC2.7 IC2.9 IC2.10 IC2.11 JP1.0 S1.12 TF1.1 TF1.8 U1.1 U1.2 U1.6 U1.10 U1.11 U1.12 U1.13 U1.14 U1.15 U1.16 U1.17 U1.18 U1.19 U1.20 U1.21 U1.22 U1.23 U1.27 USB1.0 USB1.A8 USB1.B8
copper on no net:
  other v3: 25.923,19.788 25.923,27.768
  other v4: 8.5,13.3 8.5,19.3

## Polygon pours and split planes (outlines as drawn)
GND on Top Layer "GND_L01_P000" (solid, remove dead copper, pour order 0): 0,-0.025 0.025,0 0.025,33.96 31.953,33.96 31.928,33.934 31.928,0 -0.025,0
GND on Signal1 "GND_L02_P001" (solid, remove dead copper, pour order 1): -0.025,-0.051 0,-0.025 0,33.934 31.928,33.934 31.902,33.909 31.902,-0.025 -0.051,-0.025
GND on GND "GND_L03_P002" (solid, remove dead copper, pour order 2): -0.051,0.025 -0.025,0.051 -0.025,34.011 31.902,34.011 31.877,33.985 31.877,0.051 -0.076,0.051
GND on Bottom Layer "GND_L04_P003" (solid, remove dead copper, pour order 3): -0.025,0 0,0.025 0,33.985 31.928,33.985 31.902,33.96 31.902,0.025 -0.051,0.025

## Keep-outs
Keep-Out Layer:
  lines w0.254: -0.152,27.127 3.251,27.127 3.251,34.214 -0.152,34.214 -0.152,27.127

## Silkscreen, mask and mechanical layers (free items; w line width, h text height)
Top Overlay:
  text "-" at 28.749,10.132 h0.8 r90
  text "+" at 28.115,8.272 h0.8
Bottom Overlay:
  drawing of 4 lines, arcs and shapes, not listed
  text "NeoPeak Ver 1.0" at 25.147,18.458 h1.4
  text "Designed by Alfred" at 25.095,16.764 h1.27
  text "@ESP32" at 14.326,16.612 h1.78
  text "LCD 240x240" at 25.5,12 h3.56
Bottom Solder:
  text "NeoPeak" at 31.039,24.181 h2.5
  text "Visual" at 31.096,20.945 h2.54
Mechanical 1:
  the board outline again, w0.254